# KiCad board SparkFun_Qwiic_WAV_Trigger_Pro_panelized.kicad_pcb (continued)
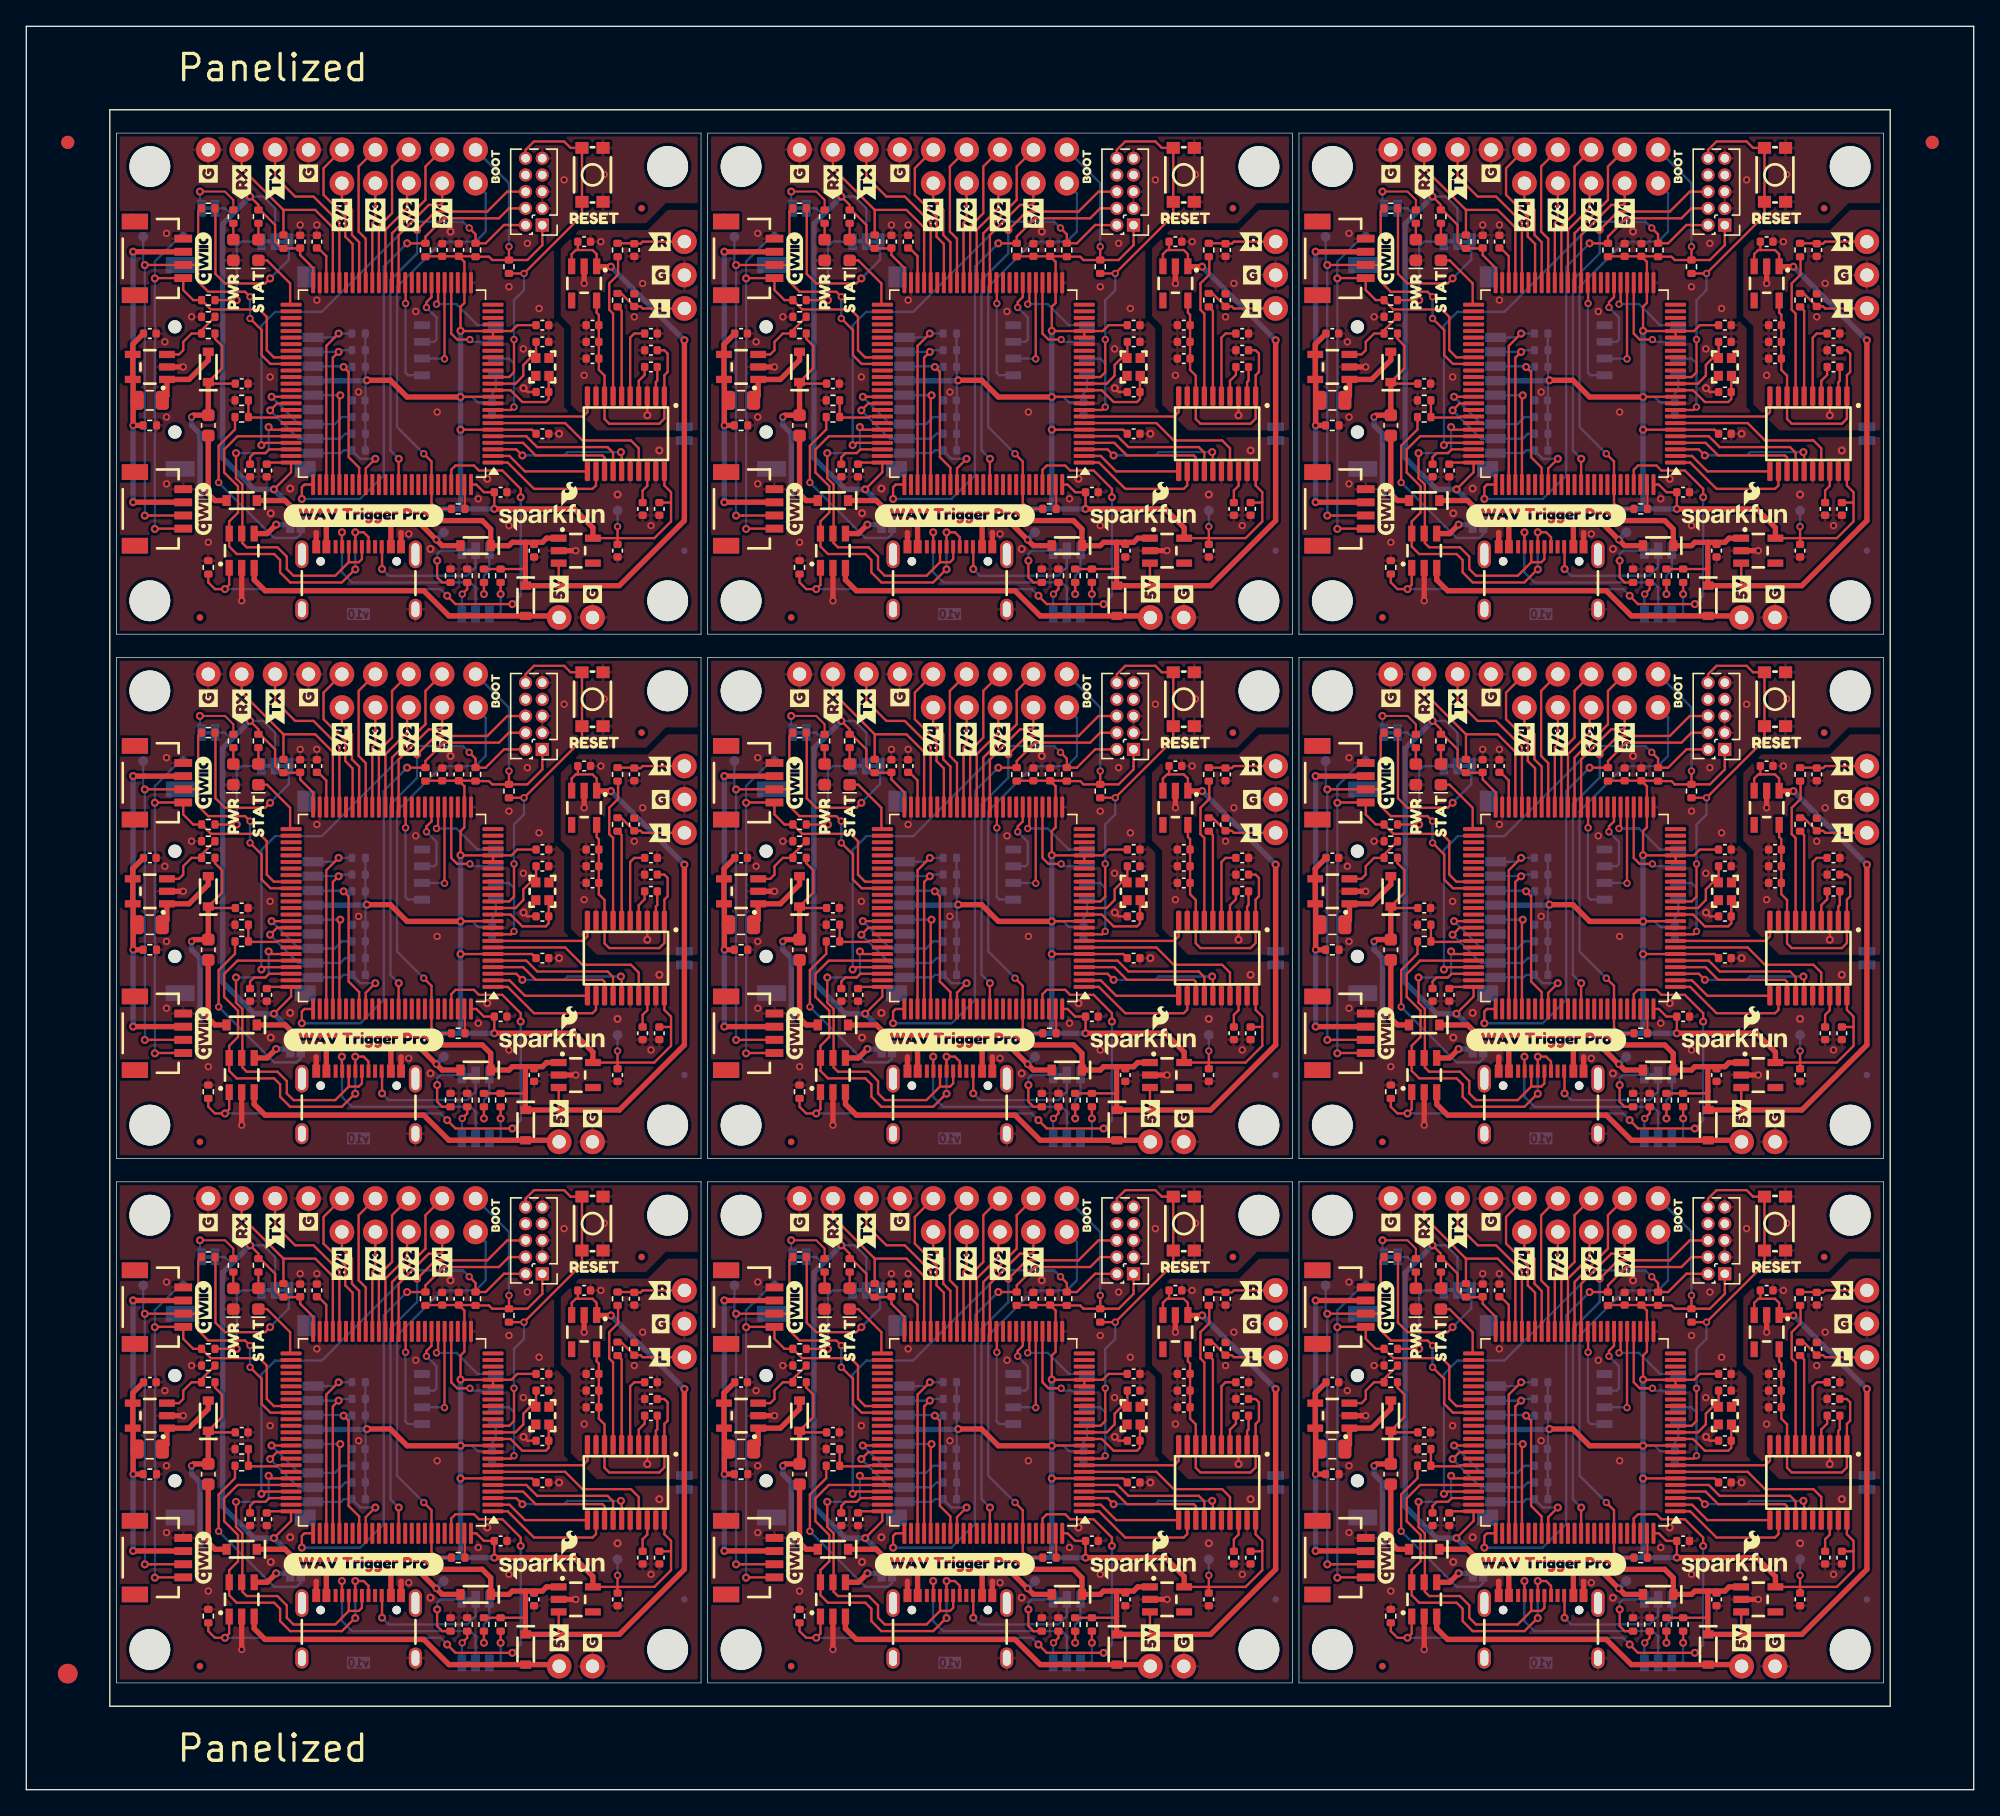
[diagram p0: board, top side]
## Nets (continued)
3.3V: C2.1 C2#2.1 C2#3.1 C2#4.1 C2#5.1 C2#6.1 C2#7.1 C2#8.1 C2#9.1 C3.1 C3#2.1 C3#3.1 C3#4.1 C3#5.1 C3#6.1 C3#7.1 C3#8.1 C3#9.1 C4.1 C4#2.1 C4#3.1 C4#4.1 C4#5.1 C4#6.1 C4#7.1 C4#8.1 C4#9.1 C5.1 C5#2.1 C5#3.1 C5#4.1 C5#5.1 C5#6.1 C5#7.1 C5#8.1 C5#9.1 C6.1 C6#2.1 C6#3.1 C6#4.1 C6#5.1 C6#6.1 C6#7.1 C6#8.1 C6#9.1 C7.1 C7#2.1 C7#3.1 C7#4.1 C7#5.1 C7#6.1 C7#7.1 C7#8.1 C7#9.1 C9.1 C9#2.1 C9#3.1 C9#4.1 C9#5.1 C9#6.1 C9#7.1 C9#8.1 C9#9.1 C10.1 C10#2.1 C10#3.1 C10#4.1 C10#5.1 C10#6.1 C10#7.1 C10#8.1 C10#9.1 C16.1 C16#2.1 C16#3.1 C16#4.1 C16#5.1 C16#6.1 C16#7.1 C16#8.1 C16#9.1 C25.1 C25#2.1 C25#3.1 C25#4.1 C25#5.1 C25#6.1 C25#7.1 C25#8.1 C25#9.1 C28.1 C28#2.1 C28#3.1 C28#4.1 C28#5.1 C28#6.1 C28#7.1 C28#8.1 C28#9.1 J5.4 J5#2.4 J5#3.4 J5#4.4 J5#5.4 J5#6.4 J5#7.4 J5#8.4 J5#9.4 J7.1 J7#2.1 J7#3.1 J7#4.1 J7#5.1 J7#6.1 J7#7.1 J7#8.1 J7#9.1 J10.2 J10#2.2 J10#3.2 J10#4.2 J10#5.2 J10#6.2 J10#7.2 J10#8.2 J10#9.2 JP4.2 JP4#2.2 JP4#3.2 JP4#4.2 JP4#5.2 JP4#6.2 JP4#7.2 JP4#8.2 JP4#9.2 JP5.2 JP5#2.2 JP5#3.2 JP5#4.2 JP5#5.2 JP5#6.2 JP5#7.2 JP5#8.2 JP5#9.2 R7.1 R7#2.1 R7#3.1 R7#4.1 R7#5.1 R7#6.1 R7#7.1 R7#8.1 R7#9.1 R9.1 R9#2.1 R9#3.1 R9#4.1 R9#5.1 R9#6.1 R9#7.1 R9#8.1 R9#9.1 R10.1 R10#2.1 R10#3.1 R10#4.1 R10#5.1 R10#6.1 R10#7.1 R10#8.1 R10#9.1 R12.1 R12#2.1 R12#3.1 R12#4.1 R12#5.1 R12#6.1 R12#7.1 R12#8.1 R12#9.1 R13.1 R13#2.1 R13#3.1 R13#4.1 R13#5.1 R13#6.1 R13#7.1 R13#8.1 R13#9.1 R14.1 R14#2.1 R14#3.1 R14#4.1 R14#5.1 R14#6.1 R14#7.1 R14#8.1 R14#9.1 R16.1 R16#2.1 R16#3.1 R16#4.1 R16#5.1 R16#6.1 R16#7.1 R16#8.1 R16#9.1 R17.1 R17#2.1 R17#3.1 R17#4.1 R17#5.1 R17#6.1 R17#7.1 R17#8.1 R17#9.1 R18.1 R18#2.1 R18#3.1 R18#4.1 R18#5.1 R18#6.1 R18#7.1 R18#8.1 R18#9.1 R19.1 R19#2.1 R19#3.1 R19#4.1 R19#5.1 R19#6.1 R19#7.1 R19#8.1 R19#9.1 R20.1 R20#2.1 R20#3.1 R20#4.1 R20#5.1 R20#6.1 R20#7.1 R20#8.1 R20#9.1 TP2.1 TP2#2.1 TP2#3.1 TP2#4.1 TP2#5.1 TP2#6.1 TP2#7.1 TP2#8.1 TP2#9.1 U2.5 U2#2.5 U2#3.5 U2#4.5 U2#5.5 U2#6.5 U2#7.5 U2#8.5 U2#9.5 U3.6 U3.11 U3.20 U3.21 U3.27 U3.50 U3.75 U3.100 U3#2.6 U3#2.11 U3#2.20 U3#2.21 U3#2.27 U3#2.50 U3#2.75 U3#2.100 U3#3.6 U3#3.11 U3#3.20 U3#3.21 U3#3.27 U3#3.50 U3#3.75 U3#3.100 U3#4.6 U3#4.11 U3#4.20 U3#4.21 U3#4.27 U3#4.50 U3#4.75 U3#4.100 U3#5.6 U3#5.11 U3#5.20 U3#5.21 U3#5.27 U3#5.50 U3#5.75 U3#5.100 U3#6.6 U3#6.11 U3#6.20 U3#6.21 U3#6.27 U3#6.50 U3#6.75 U3#6.100 U3#7.6 U3#7.11 U3#7.20 U3#7.21 U3#7.27 U3#7.50 U3#7.75 U3#7.100 U3#8.6 U3#8.11 U3#8.20 U3#8.21 U3#8.27 U3#8.50 U3#8.75 U3#8.100 U3#9.6 U3#9.11 U3#9.20 U3#9.21 U3#9.27 U3#9.50 U3#9.75 U3#9.100 U5.20 U5#2.20 U5#3.20 U5#4.20 U5#5.20 U5#6.20 U5#7.20 U5#8.20 U5#9.20 U7.8 U7#2.8 U7#3.8 U7#4.8 U7#5.8 U7#6.8 U7#7.8 U7#8.8 U7#9.8
3.3V_A: C15.1 C15#2.1 C15#3.1 C15#4.1 C15#5.1 C15#6.1 C15#7.1 C15#8.1 C15#9.1 C17.1 C17#2.1 C17#3.1 C17#4.1 C17#5.1 C17#6.1 C17#7.1 C17#8.1 C17#9.1 C18.1 C18#2.1 C18#3.1 C18#4.1 C18#5.1 C18#6.1 C18#7.1 C18#8.1 C18#9.1 C19.1 C19#2.1 C19#3.1 C19#4.1 C19#5.1 C19#6.1 C19#7.1 C19#8.1 C19#9.1 U4.5 U4#2.5 U4#3.5 U4#4.5 U4#5.5 U4#6.5 U4#7.5 U4#8.5 U4#9.5 U5.1 U5.8 U5#2.1 U5#2.8 U5#3.1 U5#3.8 U5#4.1 U5#4.8 U5#5.1 U5#5.8 U5#6.1 U5#6.8 U5#7.1 U5#7.8 U5#8.1 U5#8.8 U5#9.1 U5#9.8
3.3V_P: C26.1 C26#2.1 C26#3.1 C26#4.1 C26#5.1 C26#6.1 C26#7.1 C26#8.1 C26#9.1 J3.2 J3#2.2 J3#3.2 J3#4.2 J3#5.2 J3#6.2 J3#7.2 J3#8.2 J3#9.2 J4.2 J4#2.2 J4#3.2 J4#4.2 J4#5.2 J4#6.2 J4#7.2 J4#8.2 J4#9.2 L1.1 L1#2.1 L1#3.1 L1#4.1 L1#5.1 L1#6.1 L1#7.1 L1#8.1 L1#9.1 R25.1 R25#2.1 R25#3.1 R25#4.1 R25#5.1 R25#6.1 R25#7.1 R25#8.1 R25#9.1 U6.4 U6.5 U6#2.4 U6#2.5 U6#3.4 U6#3.5 U6#4.4 U6#4.5 U6#5.4 U6#5.5 U6#6.4 U6#6.5 U6#7.4 U6#7.5 U6#8.4 U6#8.5 U6#9.4 U6#9.5
5V: C1.1 C1#2.1 C1#3.1 C1#4.1 C1#5.1 C1#6.1 C1#7.1 C1#8.1 C1#9.1 C14.1 C14#2.1 C14#3.1 C14#4.1 C14#5.1 C14#6.1 C14#7.1 C14#8.1 C14#9.1 D1.C D1#2.C D1#3.C D1#4.C D1#5.C D1#6.C D1#7.C D1#8.C D1#9.C D2.C D2#2.C D2#3.C D2#4.C D2#5.C D2#6.C D2#7.C D2#8.C D2#9.C D6.C D6#2.C D6#3.C D6#4.C D6#5.C D6#6.C D6#7.C D6#8.C D6#9.C R2.2 R2#2.2 R2#3.2 R2#4.2 R2#5.2 R2#6.2 R2#7.2 R2#8.2 R2#9.2 R4.2 R4#2.2 R4#3.2 R4#4.2 R4#5.2 R4#6.2 R4#7.2 R4#8.2 R4#9.2 U2.1 U2.3 U2#2.1 U2#2.3 U2#3.1 U2#3.3 U2#4.1 U2#4.3 U2#5.1 U2#5.3 U2#6.1 U2#6.3 U2#7.1 U2#7.3 U2#8.1 U2#8.3 U2#9.1 U2#9.3 U4.1 U4.3 U4#2.1 U4#2.3 U4#3.1 U4#3.3 U4#4.1 U4#4.3 U4#5.1 U4#5.3 U4#6.1 U4#6.3 U4#7.1 U4#7.3 U4#8.1 U4#8.3 U4#9.1 U4#9.3
/CPU/VBUS_DET: R26.1 R26#2.1 R26#3.1 R26#4.1 R26#5.1 R26#6.1 R26#7.1 R26#8.1 R26#9.1 R27.2 R27#2.2 R27#3.2 R27#4.2 R27#5.2 R27#6.2 R27#7.2 R27#8.2 R27#9.2 U3.68 U3#2.68 U3#3.68 U3#4.68 U3#5.68 U3#6.68 U3#7.68 U3#8.68 U3#9.68
/CPU/VBUS_ENA: R1.1 R1#2.1 R1#3.1 R1#4.1 R1#5.1 R1#6.1 R1#7.1 R1#8.1 R1#9.1 U1.1 U1#2.1 U1#3.1 U1#4.1 U1#5.1 U1#6.1 U1#7.1 U1#8.1 U1#9.1 U3.97 U3#2.97 U3#3.97 U3#4.97 U3#5.97 U3#6.97 U3#7.97 U3#8.97 U3#9.97
GND: C1.2 C1#2.2 C1#3.2 C1#4.2 C1#5.2 C1#6.2 C1#7.2 C1#8.2 C1#9.2 C2.2 C2#2.2 C2#3.2 C2#4.2 C2#5.2 C2#6.2 C2#7.2 C2#8.2 C2#9.2 C3.2 C3#2.2 C3#3.2 C3#4.2 C3#5.2 C3#6.2 C3#7.2 C3#8.2 C3#9.2 C4.2 C4#2.2 C4#3.2 C4#4.2 C4#5.2 C4#6.2 C4#7.2 C4#8.2 C4#9.2 C5.2 C5#2.2 C5#3.2 C5#4.2 C5#5.2 C5#6.2 C5#7.2 C5#8.2 C5#9.2 C6.2 C6#2.2 C6#3.2 C6#4.2 C6#5.2 C6#6.2 C6#7.2 C6#8.2 C6#9.2 C7.2 C7#2.2 C7#3.2 C7#4.2 C7#5.2 C7#6.2 C7#7.2 C7#8.2 C7#9.2 C8.2 C8#2.2 C8#3.2 C8#4.2 C8#5.2 C8#6.2 C8#7.2 C8#8.2 C8#9.2 C9.2 C9#2.2 C9#3.2 C9#4.2 C9#5.2 C9#6.2 C9#7.2 C9#8.2 C9#9.2 C10.2 C10#2.2 C10#3.2 C10#4.2 C10#5.2 C10#6.2 C10#7.2 C10#8.2 C10#9.2 C11.1 C11#2.1 C11#3.1 C11#4.1 C11#5.1 C11#6.1 C11#7.1 C11#8.1 C11#9.1 C12.1 C12#2.1 C12#3.1 C12#4.1 C12#5.1 C12#6.1 C12#7.1 C12#8.1 C12#9.1 C13.2 C13#2.2 C13#3.2 C13#4.2 C13#5.2 C13#6.2 C13#7.2 C13#8.2 C13#9.2 C16.2 C16#2.2 C16#3.2 C16#4.2 C16#5.2 C16#6.2 C16#7.2 C16#8.2 C16#9.2 C22.2 C22#2.2 C22#3.2 C22#4.2 C22#5.2 C22#6.2 C22#7.2 C22#8.2 C22#9.2 C25.2 C25#2.2 C25#3.2 C25#4.2 C25#5.2 C25#6.2 C25#7.2 C25#8.2 C25#9.2 C26.2 C26#2.2 C26#3.2 C26#4.2 C26#5.2 C26#6.2 C26#7.2 C26#8.2 C26#9.2 C27.2 C27#2.2 C27#3.2 C27#4.2 C27#5.2 C27#6.2 C27#7.2 C27#8.2 C27#9.2 C28.2 C28#2.2 C28#3.2 C28#4.2 C28#5.2 C28#6.2 C28#7.2 C28#8.2 C28#9.2 D3.1 D3#2.1 D3#3.1 D3#4.1 D3#5.1 D3#6.1 D3#7.1 D3#8.1 D3#9.1 J1.2 J1#2.2 J1#3.2 J1#4.2 J1#5.2 J1#6.2 J1#7.2 J1#8.2 J1#9.2 J2.GND J2.S J2#2.GND J2#2.S J2#3.GND J2#3.S J2#4.GND J2#4.S J2#5.GND J2#5.S J2#6.GND J2#6.S J2#7.GND J2#7.S J2#8.GND J2#8.S J2#9.GND J2#9.S J3.1 J3#2.1 J3#3.1 J3#4.1 J3#5.1 J3#6.1 J3#7.1 J3#8.1 J3#9.1 J4.1 J4#2.1 J4#3.1 J4#4.1 J4#5.1 J4#6.1 J4#7.1 J4#8.1 J4#9.1 J5.6 J5.10 J5#2.6 J5#2.10 J5#3.6 J5#3.10 J5#4.6 J5#4.10 J5#5.6 J5#5.10 J5#6.6 J5#6.10 J5#7.6 J5#7.10 J5#8.6 J5#8.10 J5#9.6 J5#9.10 J6.5 J6.8 J6#2.5 J6#2.8 J6#3.5 J6#3.8 J6#4.5 J6#4.8 J6#5.5 J6#5.8 J6#6.5 J6#6.8 J6#7.5 J6#7.8 J6#8.5 J6#8.8 J6#9.5 J6#9.8 J7.3 J7.5 J7.9 J7#2.3 J7#2.5 J7#2.9 J7#3.3 J7#3.5 J7#3.9 J7#4.3 J7#4.5 J7#4.9 J7#5.3 J7#5.5 J7#5.9 J7#6.3 J7#6.5 J7#6.9 J7#7.3 J7#7.5 J7#7.9 J7#8.3 J7#8.5 J7#8.9 J7#9.3 J7#9.5 J7#9.9 JP6.2 JP6#2.2 JP6#3.2 JP6#4.2 JP6#5.2 JP6#6.2 JP6#7.2 JP6#8.2 JP6#9.2 R1.2 R1#2.2 R1#3.2 R1#4.2 R1#5.2 R1#6.2 R1#7.2 R1#8.2 R1#9.2 R3.2 R3#2.2 R3#3.2 R3#4.2 R3#5.2 R3#6.2 R3#7.2 R3#8.2 R3#9.2 R5.2 R5#2.2 R5#3.2 R5#4.2 R5#5.2 R5#6.2 R5#7.2 R5#8.2 R5#9.2 R8.2 R8#2.2 R8#3.2 R8#4.2 R8#5.2 R8#6.2 R8#7.2 R8#8.2 R8#9.2 R24.2 R24#2.2 R24#3.2 R24#4.2 R24#5.2 R24#6.2 R24#7.2 R24#8.2 R24#9.2 R25.2 R25#2.2 R25#3.2 R25#4.2 R25#5.2 R25#6.2 R25#7.2 R25#8.2 R25#9.2 R27.1 R27#2.1 R27#3.1 R27#4.1 R27#5.1 R27#6.1 R27#7.1 R27#8.1 R27#9.1 SW1.2 SW1#2.2 SW1#3.2 SW1#4.2 SW1#5.2 SW1#6.2 SW1#7.2 SW1#8.2 SW1#9.2 U1.2 U1#2.2 U1#3.2 U1#4.2 U1#5.2 U1#6.2 U1#7.2 U1#8.2 U1#9.2 U2.2 U2#2.2 U2#3.2 U2#4.2 U2#5.2 U2#6.2 U2#7.2 U2#8.2 U2#9.2 U3.10 U3.19 U3.26 U3.49 U3.74 U3.99 U3#2.10 U3#2.19 U3#2.26 U3#2.49 U3#2.74 U3#2.99 U3#3.10 U3#3.19 U3#3.26 U3#3.49 U3#3.74 U3#3.99 U3#4.10 U3#4.19 U3#4.26 U3#4.49 U3#4.74 U3#4.99 U3#5.10 U3#5.19 U3#5.26 U3#5.49 U3#5.74 U3#5.99 U3#6.10 U3#6.19 U3#6.26 U3#6.49 U3#6.74 U3#6.99 U3#7.10 U3#7.19 U3#7.26 U3#7.49 U3#7.74 U3#7.99 U3#8.10 U3#8.19 U3#8.26 U3#8.49 U3#8.74 U3#8.99 U3#9.10 U3#9.19 U3#9.26 U3#9.49 U3#9.74 U3#9.99 U5.16 U5.19 U5#2.16 U5#2.19 U5#3.16 U5#3.19 U5#4.16 U5#4.19 U5#5.16 U5#5.19 U5#6.16 U5#6.19 U5#7.16 U5#7.19 U5#8.16 U5#8.19 U5#9.16 U5#9.19 U6.2 U6#2.2 U6#3.2 U6#4.2 U6#5.2 U6#6.2 U6#7.2 U6#8.2 U6#9.2 U7.4 U7#2.4 U7#3.4 U7#4.4 U7#5.4 U7#6.4 U7#7.4 U7#8.4 U7#9.4
GNDA: C14.2 C14#2.2 C14#3.2 C14#4.2 C14#5.2 C14#6.2 C14#7.2 C14#8.2 C14#9.2 C15.2 C15#2.2 C15#3.2 C15#4.2 C15#5.2 C15#6.2 C15#7.2 C15#8.2 C15#9.2 C17.2 C17#2.2 C17#3.2 C17#4.2 C17#5.2 C17#6.2 C17#7.2 C17#8.2 C17#9.2 C18.2 C18#2.2 C18#3.2 C18#4.2 C18#5.2 C18#6.2 C18#7.2 C18#8.2 C18#9.2 C19.2 C19#2.2 C19#3.2 C19#4.2 C19#5.2 C19#6.2 C19#7.2 C19#8.2 C19#9.2 C20.2 C20#2.2 C20#3.2 C20#4.2 C20#5.2 C20#6.2 C20#7.2 C20#8.2 C20#9.2 C23.2 C23#2.2 C23#3.2 C23#4.2 C23#5.2 C23#6.2 C23#7.2 C23#8.2 C23#9.2 C24.2 C24#2.2 C24#3.2 C24#4.2 C24#5.2 C24#6.2 C24#7.2 C24#8.2 C24#9.2 J8.2 J8#2.2 J8#3.2 J8#4.2 J8#5.2 J8#6.2 J8#7.2 J8#8.2 J8#9.2 JP6.1 JP6#2.1 JP6#3.1 JP6#4.1 JP6#5.1 JP6#6.1 JP6#7.1 JP6#8.1 JP6#9.1 U4.2 U4#2.2 U4#3.2 U4#4.2 U4#5.2 U4#6.2 U4#7.2 U4#8.2 U4#9.2 U5.3 U5.9 U5#2.3 U5#2.9 U5#3.3 U5#3.9 U5#4.3 U5#4.9 U5#5.3 U5#5.9 U5#6.3 U5#6.9 U5#7.3 U5#7.9 U5#8.3 U5#8.9 U5#9.3 U5#9.9
VIN: D2.A D2#2.A D2#3.A D2#4.A D2#5.A D2#6.A D2#7.A D2#8.A D2#9.A J1.1 J1#2.1 J1#3.1 J1#4.1 J1#5.1 J1#6.1 J1#7.1 J1#8.1 J1#9.1 U1.3 U1#2.3 U1#3.3 U1#4.3 U1#5.3 U1#6.3 U1#7.3 U1#8.3 U1#9.3
/Audio/DEMP: U3.8 U3#2.8 U3#3.8 U3#4.8 U3#5.8 U3#6.8 U3#7.8 U3#8.8 U3#9.8 U5.10 U5#2.10 U5#3.10 U5#4.10 U5#5.10 U5#6.10 U5#7.10 U5#8.10 U5#9.10
/Audio/FILTER: U3.2 U3#2.2 U3#3.2 U3#4.2 U3#5.2 U3#6.2 U3#7.2 U3#8.2 U3#9.2 U5.11 U5#2.11 U5#3.11 U5#4.11 U5#5.11 U5#6.11 U5#7.11 U5#8.11 U5#9.11
/Audio/MUTE: U3.7 U3#2.7 U3#3.7 U3#4.7 U3#5.7 U3#6.7 U3#7.7 U3#8.7 U3#9.7 U5.17 U5#2.17 U5#3.17 U5#4.17 U5#5.17 U5#6.17 U5#7.17 U5#8.17 U5#9.17
/Audio/SAI1_BCK: U3.4 U3#2.4 U3#3.4 U3#4.4 U3#5.4 U3#6.4 U3#7.4 U3#8.4 U3#9.4 U5.13 U5#2.13 U5#3.13 U5#4.13 U5#5.13 U5#6.13 U5#7.13 U5#8.13 U5#9.13
/Audio/SAI1_DO: U3.5 U3#2.5 U3#3.5 U3#4.5 U3#5.5 U3#6.5 U3#7.5 U3#8.5 U3#9.5 U5.14 U5#2.14 U5#3.14 U5#4.14 U5#5.14 U5#6.14 U5#7.14 U5#8.14 U5#9.14
/Audio/SAI1_LRCK: U3.3 U3#2.3 U3#3.3 U3#4.3 U3#5.3 U3#6.3 U3#7.3 U3#8.3 U3#9.3 U5.15 U5#2.15 U5#3.15 U5#4.15 U5#5.15 U5#6.15 U5#7.15 U5#8.15 U5#9.15
/Audio/SAI1_MCK: U3.1 U3#2.1 U3#3.1 U3#4.1 U3#5.1 U3#6.1 U3#7.1 U3#8.1 U3#9.1 U5.12 U5#2.12 U5#3.12 U5#4.12 U5#5.12 U5#6.12 U5#7.12 U5#8.12 U5#9.12
/CPU/D0: J9.1 J9#2.1 J9#3.1 J9#4.1 J9#5.1 J9#6.1 J9#7.1 J9#8.1 J9#9.1 U3.37 U3#2.37 U3#3.37 U3#4.37 U3#5.37 U3#6.37 U3#7.37 U3#8.37 U3#9.37
/CPU/D1: J6.1 J6#2.1 J6#3.1 J6#4.1 J6#5.1 J6#6.1 J6#7.1 J6#8.1 J6#9.1 U3.38 U3#2.38 U3#3.38 U3#4.38 U3#5.38 U3#6.38 U3#7.38 U3#8.38 U3#9.38
/CPU/D2: J9.2 J9#2.2 J9#3.2 J9#4.2 J9#5.2 J9#6.2 J9#7.2 J9#8.2 J9#9.2 U3.39 U3#2.39 U3#3.39 U3#4.39 U3#5.39 U3#6.39 U3#7.39 U3#8.39 U3#9.39
/CPU/D3: J6.2 J6#2.2 J6#3.2 J6#4.2 J6#5.2 J6#6.2 J6#7.2 J6#8.2 J6#9.2 U3.40 U3#2.40 U3#3.40 U3#4.40 U3#5.40 U3#6.40 U3#7.40 U3#8.40 U3#9.40
/CPU/D4: J9.3 J9#2.3 J9#3.3 J9#4.3 J9#5.3 J9#6.3 J9#7.3 J9#8.3 J9#9.3 U3.41 U3#2.41 U3#3.41 U3#4.41 U3#5.41 U3#6.41 U3#7.41 U3#8.41 U3#9.41
/CPU/D5: J6.3 J6#2.3 J6#3.3 J6#4.3 J6#5.3 J6#6.3 J6#7.3 J6#8.3 J6#9.3 U3.42 U3#2.42 U3#3.42 U3#4.42 U3#5.42 U3#6.42 U3#7.42 U3#8.42 U3#9.42
/CPU/D6: J9.4 J9#2.4 J9#3.4 J9#4.4 J9#5.4 J9#6.4 J9#7.4 J9#8.4 J9#9.4 U3.43 U3#2.43 U3#3.43 U3#4.43 U3#5.43 U3#6.43 U3#7.43 U3#8.43 U3#9.43
/CPU/D7: J6.4 J6#2.4 J6#3.4 J6#4.4 J6#5.4 J6#6.4 J6#7.4 J6#8.4 J6#9.4 U3.44 U3#2.44 U3#3.44 U3#4.44 U3#5.44 U3#6.44 U3#7.44 U3#8.44 U3#9.44
/CPU/I2C_SCK: J3.4 J3#2.4 J3#3.4 J3#4.4 J3#5.4 J3#6.4 J3#7.4 J3#8.4 J3#9.4 J4.4 J4#2.4 J4#3.4 J4#4.4 J4#5.4 J4#6.4 J4#7.4 J4#8.4 J4#9.4 R11.2 R11#2.2 R11#3.2 R11#4.2 R11#5.2 R11#6.2 R11#7.2 R11#8.2 R11#9.2 TP4.1 TP4#2.1 TP4#3.1 TP4#4.1 TP4#5.1 TP4#6.1 TP4#7.1 TP4#8.1 TP4#9.1 U3.59 U3#2.59 U3#3.59 U3#4.59 U3#5.59 U3#6.59 U3#7.59 U3#8.59 U3#9.59
/CPU/I2C_SDA: J3.3 J3#2.3 J3#3.3 J3#4.3 J3#5.3 J3#6.3 J3#7.3 J3#8.3 J3#9.3 J4.3 J4#2.3 J4#3.3 J4#4.3 J4#5.3 J4#6.3 J4#7.3 J4#8.3 J4#9.3 R15.2 R15#2.2 R15#3.2 R15#4.2 R15#5.2 R15#6.2 R15#7.2 R15#8.2 R15#9.2 TP5.1 TP5#2.1 TP5#3.1 TP5#4.1 TP5#5.1 TP5#6.1 TP5#7.1 TP5#8.1 TP5#9.1 U3.60 U3#2.60 U3#3.60 U3#4.60 U3#5.60 U3#6.60 U3#7.60 U3#8.60 U3#9.60
/CPU/LED: D4.1 D4#2.1 D4#3.1 D4#4.1 D4#5.1 D4#6.1 D4#7.1 D4#8.1 D4#9.1 U3.51 U3#2.51 U3#3.51 U3#4.51 U3#5.51 U3#6.51 U3#7.51 U3#8.51 U3#9.51
/CPU/MEM_CK: U3.29 U3#2.29 U3#3.29 U3#4.29 U3#5.29 U3#6.29 U3#7.29 U3#8.29 U3#9.29 U7.6 U7#2.6 U7#3.6 U7#4.6 U7#5.6 U7#6.6 U7#7.6 U7#8.6 U7#9.6
/CPU/MEM_CS: U3.36 U3#2.36 U3#3.36 U3#4.36 U3#5.36 U3#6.36 U3#7.36 U3#8.36 U3#9.36 U7.1 U7#2.1 U7#3.1 U7#4.1 U7#5.1 U7#6.1 U7#7.1 U7#8.1 U7#9.1
/CPU/MEM_DI: U3.31 U3#2.31 U3#3.31 U3#4.31 U3#5.31 U3#6.31 U3#7.31 U3#8.31 U3#9.31 U7.5 U7#2.5 U7#3.5 U7#4.5 U7#5.5 U7#6.5 U7#7.5 U7#8.5 U7#9.5
/CPU/MEM_DO: U3.30 U3#2.30 U3#3.30 U3#4.30 U3#5.30 U3#6.30 U3#7.30 U3#8.30 U3#9.30 U7.2 U7#2.2 U7#3.2 U7#4.2 U7#5.2 U7#6.2 U7#7.2 U7#8.2 U7#9.2
/CPU/MEM_HO: U3.9 U3#2.9 U3#3.9 U3#4.9 U3#5.9 U3#6.9 U3#7.9 U3#8.9 U3#9.9 U7.7 U7#2.7 U7#3.7 U7#4.7 U7#5.7 U7#6.7 U7#7.7 U7#8.7 U7#9.7
/CPU/MEM_WP: U3.32 U3#2.32 U3#3.32 U3#4.32 U3#5.32 U3#6.32 U3#7.32 U3#8.32 U3#9.32 U7.3 U7#2.3 U7#3.3 U7#4.3 U7#5.3 U7#6.3 U7#7.3 U7#8.3 U7#9.3
/CPU/RX: J6.7 J6#2.7 J6#3.7 J6#4.7 J6#5.7 J6#6.7 J6#7.7 J6#8.7 J6#9.7 R17.2 R17#2.2 R17#3.2 R17#4.2 R17#5.2 R17#6.2 R17#7.2 R17#8.2 R17#9.2 U3.47 U3#2.47 U3#3.47 U3#4.47 U3#5.47 U3#6.47 U3#7.47 U3#8.47 U3#9.47
/CPU/SD_CD: J5.9 J5#2.9 J5#3.9 J5#4.9 J5#5.9 J5#6.9 J5#7.9 J5#8.9 J5#9.9 R16.2 R16#2.2 R16#3.2 R16#4.2 R16#5.2 R16#6.2 R16#7.2 R16#8.2 R16#9.2 U3.84 U3#2.84 U3#3.84 U3#4.84 U3#5.84 U3#6.84 U3#7.84 U3#8.84 U3#9.84
/CPU/SD_CLK: J5.5 J5#2.5 J5#3.5 J5#4.5 J5#5.5 J5#6.5 J5#7.5 J5#8.5 J5#9.5 U3.80 U3#2.80 U3#3.80 U3#4.80 U3#5.80 U3#6.80 U3#7.80 U3#8.80 U3#9.80
/CPU/SD_CMD: J5.3 J5#2.3 J5#3.3 J5#4.3 J5#5.3 J5#6.3 J5#7.3 J5#8.3 J5#9.3 R9.2 R9#2.2 R9#3.2 R9#4.2 R9#5.2 R9#6.2 R9#7.2 R9#8.2 R9#9.2 U3.83 U3#2.83 U3#3.83 U3#4.83 U3#5.83 U3#6.83 U3#7.83 U3#8.83 U3#9.83
/CPU/SD_D0: J5.7 J5#2.7 J5#3.7 J5#4.7 J5#5.7 J5#6.7 J5#7.7 J5#8.7 J5#9.7 R10.2 R10#2.2 R10#3.2 R10#4.2 R10#5.2 R10#6.2 R10#7.2 R10#8.2 R10#9.2 U3.65 U3#2.65 U3#3.65 U3#4.65 U3#5.65 U3#6.65 U3#7.65 U3#8.65 U3#9.65
/CPU/SD_D1: J5.8 J5#2.8 J5#3.8 J5#4.8 J5#5.8 J5#6.8 J5#7.8 J5#8.8 J5#9.8 R12.2 R12#2.2 R12#3.2 R12#4.2 R12#5.2 R12#6.2 R12#7.2 R12#8.2 R12#9.2 U3.66 U3#2.66 U3#3.66 U3#4.66 U3#5.66 U3#6.66 U3#7.66 U3#8.66 U3#9.66
/CPU/SD_D2: J5.1 J5#2.1 J5#3.1 J5#4.1 J5#5.1 J5#6.1 J5#7.1 J5#8.1 J5#9.1 R13.2 R13#2.2 R13#3.2 R13#4.2 R13#5.2 R13#6.2 R13#7.2 R13#8.2 R13#9.2 U3.78 U3#2.78 U3#3.78 U3#4.78 U3#5.78 U3#6.78 U3#7.78 U3#8.78 U3#9.78
/CPU/SD_D3: J5.2 J5#2.2 J5#3.2 J5#4.2 J5#5.2 J5#6.2 J5#7.2 J5#8.2 J5#9.2 R14.2 R14#2.2 R14#3.2 R14#4.2 R14#5.2 R14#6.2 R14#7.2 R14#8.2 R14#9.2 U3.79 U3#2.79 U3#3.79 U3#4.79 U3#5.79 U3#6.79 U3#7.79 U3#8.79 U3#9.79
/CPU/SWCLK: J7.4 J7#2.4 J7#3.4 J7#4.4 J7#5.4 J7#6.4 J7#7.4 J7#8.4 J7#9.4 R18.2 R18#2.2 R18#3.2 R18#4.2 R18#5.2 R18#6.2 R18#7.2 R18#8.2 R18#9.2 U3.76 U3#2.76 U3#3.76 U3#4.76 U3#5.76 U3#6.76 U3#7.76 U3#8.76 U3#9.76
/CPU/SWDIO: J7.2 J7#2.2 J7#3.2 J7#4.2 J7#5.2 J7#6.2 J7#7.2 J7#8.2 J7#9.2 R20.2 R20#2.2 R20#3.2 R20#4.2 R20#5.2 R20#6.2 R20#7.2 R20#8.2 R20#9.2 U3.72 U3#2.72 U3#3.72 U3#4.72 U3#5.72 U3#6.72 U3#7.72 U3#8.72 U3#9.72
/CPU/SWO: J7.6 J7#2.6 J7#3.6 J7#4.6 J7#5.6 J7#6.6 J7#7.6 J7#8.6 J7#9.6 U3.89 U3#2.89 U3#3.89 U3#4.89 U3#5.89 U3#6.89 U3#7.89 U3#8.89 U3#9.89
/CPU/TX: J6.6 J6#2.6 J6#3.6 J6#4.6 J6#5.6 J6#6.6 J6#7.6 J6#8.6 J6#9.6 U3.46 U3#2.46 U3#3.46 U3#4.46 U3#5.46 U3#6.46 U3#7.46 U3#8.46 U3#9.46
/CPU/USB_FS_DM: J2.A7 J2.B7 J2#2.A7 J2#2.B7 J2#3.A7 J2#3.B7 J2#4.A7 J2#4.B7 J2#5.A7 J2#5.B7 J2#6.A7 J2#6.B7 J2#7.A7 J2#7.B7 J2#8.A7 J2#8.B7 J2#9.A7 J2#9.B7 U1.5 U1#2.5 U1#3.5 U1#4.5 U1#5.5 U1#6.5 U1#7.5 U1#8.5 U1#9.5 U3.70 U3#2.70 U3#3.70 U3#4.70 U3#5.70 U3#6.70 U3#7.70 U3#8.70 U3#9.70
/CPU/USB_FS_DP: J2.A6 J2.B6 J2#2.A6 J2#2.B6 J2#3.A6 J2#3.B6 J2#4.A6 J2#4.B6 J2#5.A6 J2#5.B6 J2#6.A6 J2#6.B6 J2#7.A6 J2#7.B6 J2#8.A6 J2#8.B6 J2#9.A6 J2#9.B6 U1.6 U1#2.6 U1#3.6 U1#4.6 U1#5.6 U1#6.6 U1#7.6 U1#8.6 U1#9.6 U3.71 U3#2.71 U3#3.71 U3#4.71 U3#5.71 U3#6.71 U3#7.71 U3#8.71 U3#9.71
/CPU/~{RST}: J7.10 J7#2.10 J7#3.10 J7#4.10 J7#5.10 J7#6.10 J7#7.10 J7#8.10 J7#9.10 R7.2 R7#2.2 R7#3.2 R7#4.2 R7#5.2 R7#6.2 R7#7.2 R7#8.2 R7#9.2 SW1.1 SW1#2.1 SW1#3.1 SW1#4.1 SW1#5.1 SW1#6.1 SW1#7.1 SW1#8.1 SW1#9.1 U3.14 U3#2.14 U3#3.14 U3#4.14 U3#5.14 U3#6.14 U3#7.14 U3#8.14 U3#9.14
LOUT: C23.1 C23#2.1 C23#3.1 C23#4.1 C23#5.1 C23#6.1 C23#7.1 C23#8.1 C23#9.1 J8.1 J8#2.1 J8#3.1 J8#4.1 J8#5.1 J8#6.1 J8#7.1 J8#8.1 J8#9.1 R21.1 R21#2.1 R21#3.1 R21#4.1 R21#5.1 R21#6.1 R21#7.1 R21#8.1 R21#9.1
ROUT: C24.1 C24#2.1 C24#3.1 C24#4.1 C24#5.1 C24#6.1 C24#7.1 C24#8.1 C24#9.1 J8.3 J8#2.3 J8#3.3 J8#4.3 J8#5.3 J8#6.3 J8#7.3 J8#8.3 J8#9.3 R22.1 R22#2.1 R22#3.1 R22#4.1 R22#5.1 R22#6.1 R22#7.1 R22#8.1 R22#9.1
VOUT: D6.A D6#2.A D6#3.A D6#4.A D6#5.A D6#6.A D6#7.A D6#8.A D6#9.A L2.2 L2#2.2 L2#3.2 L2#4.2 L2#5.2 L2#6.2 L2#7.2 L2#8.2 L2#9.2
VUSB: D1.A D1#2.A D1#3.A D1#4.A D1#5.A D1#6.A D1#7.A D1#8.A D1#9.A J2.VBUS J2#2.VBUS J2#3.VBUS J2#4.VBUS J2#5.VBUS J2#6.VBUS J2#7.VBUS J2#8.VBUS J2#9.VBUS JP3.2 JP3#2.2 JP3#3.2 JP3#4.2 JP3#5.2 JP3#6.2 JP3#7.2 JP3#8.2 JP3#9.2 R26.2 R26#2.2 R26#3.2 R26#4.2 R26#5.2 R26#6.2 R26#7.2 R26#8.2 R26#9.2 TP3.1 TP3#2.1 TP3#3.1 TP3#4.1 TP3#5.1 TP3#6.1 TP3#7.1 TP3#8.1 TP3#9.1
Net-(C8-Pad1): C8.1 C8#2.1 C8#3.1 C8#4.1 C8#5.1 C8#6.1 C8#7.1 C8#8.1 C8#9.1 U3.48 U3#2.48 U3#3.48 U3#4.48 U3#5.48 U3#6.48 U3#7.48 U3#8.48 U3#9.48
Net-(C13-Pad1): C13.1 C13#2.1 C13#3.1 C13#4.1 C13#5.1 C13#6.1 C13#7.1 C13#8.1 C13#9.1 U3.73 U3#2.73 U3#3.73 U3#4.73 U3#5.73 U3#6.73 U3#7.73 U3#8.73 U3#9.73
Net-(C27-Pad1): C27.1 C27#2.1 C27#3.1 C27#4.1 C27#5.1 C27#6.1 C27#7.1 C27#8.1 C27#9.1 D5.C D5#2.C D5#3.C D5#4.C D5#5.C D5#6.C D5#7.C D5#8.C D5#9.C L2.1 L2#2.1 L2#3.1 L2#4.1 L2#5.1 L2#6.1 L2#7.1 L2#8.1 L2#9.1 R23.1 R23#2.1 R23#3.1 R23#4.1 R23#5.1 R23#6.1 R23#7.1 R23#8.1 R23#9.1 TP1.1 TP1#2.1 TP1#3.1 TP1#4.1 TP1#5.1 TP1#6.1 TP1#7.1 TP1#8.1 TP1#9.1
Net-(D3-A): D3.2 D3#2.2 D3#3.2 D3#4.2 D3#5.2 D3#6.2 D3#7.2 D3#8.2 D3#9.2 R6.2 R6#2.2 R6#3.2 R6#4.2 R6#5.2 R6#6.2 R6#7.2 R6#8.2 R6#9.2
Net-(D4-A): D4.2 D4#2.2 D4#3.2 D4#4.2 D4#5.2 D4#6.2 D4#7.2 D4#8.2 D4#9.2 R19.2 R19#2.2 R19#3.2 R19#4.2 R19#5.2 R19#6.2 R19#7.2 R19#8.2 R19#9.2
Net-(J2-CC1): J2.A5 J2#2.A5 J2#3.A5 J2#4.A5 J2#5.A5 J2#6.A5 J2#7.A5 J2#8.A5 J2#9.A5 JP2.2 JP2#2.2 JP2#3.2 JP2#4.2 JP2#5.2 JP2#6.2 JP2#7.2 JP2#8.2 JP2#9.2
Net-(J2-CC2): J2.B5 J2#2.B5 J2#3.B5 J2#4.B5 J2#5.B5 J2#6.B5 J2#7.B5 J2#8.B5 J2#9.B5 JP1.2 JP1#2.2 JP1#3.2 JP1#4.2 JP1#5.2 JP1#6.2 JP1#7.2 JP1#8.2 JP1#9.2
Net-(J10-Pin_1): J10.1 J10#2.1 J10#3.1 J10#4.1 J10#5.1 J10#6.1 J10#7.1 J10#8.1 J10#9.1 R8.1 R8#2.1 R8#3.1 R8#4.1 R8#5.1 R8#6.1 R8#7.1 R8#8.1 R8#9.1 U3.94 U3#2.94 U3#3.94 U3#4.94 U3#5.94 U3#6.94 U3#7.94 U3#8.94 U3#9.94
Net-(JP1-A): JP1.1 JP1#2.1 JP1#3.1 JP1#4.1 JP1#5.1 JP1#6.1 JP1#7.1 JP1#8.1 JP1#9.1 R3.1 R3#2.1 R3#3.1 R3#4.1 R3#5.1 R3#6.1 R3#7.1 R3#8.1 R3#9.1
Net-(JP1-B): JP1.3 JP1#2.3 JP1#3.3 JP1#4.3 JP1#5.3 JP1#6.3 JP1#7.3 JP1#8.3 JP1#9.3 R2.1 R2#2.1 R2#3.1 R2#4.1 R2#5.1 R2#6.1 R2#7.1 R2#8.1 R2#9.1
Net-(JP2-A): JP2.1 JP2#2.1 JP2#3.1 JP2#4.1 JP2#5.1 JP2#6.1 JP2#7.1 JP2#8.1 JP2#9.1 R5.1 R5#2.1 R5#3.1 R5#4.1 R5#5.1 R5#6.1 R5#7.1 R5#8.1 R5#9.1
Net-(JP2-B): JP2.3 JP2#2.3 JP2#3.3 JP2#4.3 JP2#5.3 JP2#6.3 JP2#7.3 JP2#8.3 JP2#9.3 R4.1 R4#2.1 R4#3.1 R4#4.1 R4#5.1 R4#6.1 R4#7.1 R4#8.1 R4#9.1
Net-(JP3-A): JP3.1 JP3#2.1 JP3#3.1 JP3#4.1 JP3#5.1 JP3#6.1 JP3#7.1 JP3#8.1 JP3#9.1 U1.4 U1#2.4 U1#3.4 U1#4.4 U1#5.4 U1#6.4 U1#7.4 U1#8.4 U1#9.4
Net-(JP4-A): JP4.1 JP4#2.1 JP4#3.1 JP4#4.1 JP4#5.1 JP4#6.1 JP4#7.1 JP4#8.1 JP4#9.1 R6.1 R6#2.1 R6#3.1 R6#4.1 R6#5.1 R6#6.1 R6#7.1 R6#8.1 R6#9.1
Net-(JP5-A): JP5.1 JP5#2.1 JP5#3.1 JP5#4.1 JP5#5.1 JP5#6.1 JP5#7.1 JP5#8.1 JP5#9.1 R15.1 R15#2.1 R15#3.1 R15#4.1 R15#5.1 R15#6.1 R15#7.1 R15#8.1 R15#9.1
Net-(JP5-B): JP5.3 JP5#2.3 JP5#3.3 JP5#4.3 JP5#5.3 JP5#6.3 JP5#7.3 JP5#8.3 JP5#9.3 R11.1 R11#2.1 R11#3.1 R11#4.1 R11#5.1 R11#6.1 R11#7.1 R11#8.1 R11#9.1
Net-(U3-PH0): C11.2 C11#2.2 C11#3.2 C11#4.2 C11#5.2 C11#6.2 C11#7.2 C11#8.2 C11#9.2 U3.12 U3#2.12 U3#3.12 U3#4.12 U3#5.12 U3#6.12 U3#7.12 U3#8.12 U3#9.12 Y1.2 Y1#2.2 Y1#3.2 Y1#4.2 Y1#5.2 Y1#6.2 Y1#7.2 Y1#8.2 Y1#9.2
Net-(U3-PH1): C12.2 C12#2.2 C12#3.2 C12#4.2 C12#5.2 C12#6.2 C12#7.2 C12#8.2 C12#9.2 U3.13 U3#2.13 U3#3.13 U3#4.13 U3#5.13 U3#6.13 U3#7.13 U3#8.13 U3#9.13 Y1.1 Y1#2.1 Y1#3.1 Y1#4.1 Y1#5.1 Y1#6.1 Y1#7.1 Y1#8.1 Y1#9.1
Net-(U5-CAPM): C21.2 C21#2.2 C21#3.2 C21#4.2 C21#5.2 C21#6.2 C21#7.2 C21#8.2 C21#9.2 U5.4 U5#2.4 U5#3.4 U5#4.4 U5#5.4 U5#6.4 U5#7.4 U5#8.4 U5#9.4
Net-(U5-CAPP): C21.1 C21#2.1 C21#3.1 C21#4.1 C21#5.1 C21#6.1 C21#7.1 C21#8.1 C21#9.1 U5.2 U5#2.2 U5#3.2 U5#4.2 U5#5.2 U5#6.2 U5#7.2 U5#8.2 U5#9.2
Net-(U5-LDOO): C22.1 C22#2.1 C22#3.1 C22#4.1 C22#5.1 C22#6.1 C22#7.1 C22#8.1 C22#9.1 U5.18 U5#2.18 U5#3.18 U5#4.18 U5#5.18 U5#6.18 U5#7.18 U5#8.18 U5#9.18
Net-(U5-OUTL): R21.2 R21#2.2 R21#3.2 R21#4.2 R21#5.2 R21#6.2 R21#7.2 R21#8.2 R21#9.2 U5.6 U5#2.6 U5#3.6 U5#4.6 U5#5.6 U5#6.6 U5#7.6 U5#8.6 U5#9.6
Net-(U5-OUTR): R22.2 R22#2.2 R22#3.2 R22#4.2 R22#5.2 R22#6.2 R22#7.2 R22#8.2 R22#9.2 U5.7 U5#2.7 U5#3.7 U5#4.7 U5#5.7 U5#6.7 U5#7.7 U5#8.7 U5#9.7
Net-(U5-VNEG): C20.1 C20#2.1 C20#3.1 C20#4.1 C20#5.1 C20#6.1 C20#7.1 C20#8.1 C20#9.1 U5.5 U5#2.5 U5#3.5 U5#4.5 U5#5.5 U5#6.5 U5#7.5 U5#8.5 U5#9.5
Net-(U6-FB): R23.2 R23#2.2 R23#3.2 R23#4.2 R23#5.2 R23#6.2 R23#7.2 R23#8.2 R23#9.2 R24.1 R24#2.1 R24#3.1 R24#4.1 R24#5.1 R24#6.1 R24#7.1 R24#8.1 R24#9.1 U6.3 U6#2.3 U6#3.3 U6#4.3 U6#5.3 U6#6.3 U6#7.3 U6#8.3 U6#9.3
Net-(U6-SW): D5.A D5#2.A D5#3.A D5#4.A D5#5.A D5#6.A D5#7.A D5#8.A D5#9.A L1.2 L1#2.2 L1#3.2 L1#4.2 L1#5.2 L1#6.2 L1#7.2 L1#8.2 L1#9.2 U6.1 U6#2.1 U6#3.1 U6#4.1 U6#5.1 U6#6.1 U6#7.1 U6#8.1 U6#9.1

Pads without a net: J2 A8 B8 NC1 NC2 NC3; J2#2 A8 B8 NC1 NC2 NC3; J2#3 A8 B8 NC1 NC2 NC3; J2#4 A8 B8 NC1 NC2 NC3; J2#5 A8 B8 NC1 NC2 NC3; J2#6 A8 B8 NC1 NC2 NC3; J2#7 A8 B8 NC1 NC2 NC3; J2#8 A8 B8 NC1 NC2 NC3; J2#9 A8 B8 NC1 NC2 NC3; J3 NC1 NC2; J3#2 NC1 NC2; J3#3 NC1 NC2; J3#4 NC1 NC2; J3#5 NC1 NC2; J3#6 NC1 NC2; J3#7 NC1 NC2; J3#8 NC1 NC2; J3#9 NC1 NC2; J4 NC1 NC2; J4#2 NC1 NC2; J4#3 NC1 NC2; J4#4 NC1 NC2; J4#5 NC1 NC2; J4#6 NC1 NC2; J4#7 NC1 NC2; J4#8 NC1 NC2; J4#9 NC1 NC2; J5 11 12 13; J5#2 11 12 13; J5#3 11 12 13; J5#4 11 12 13; J5#5 11 12 13; J5#6 11 12 13; J5#7 11 12 13; J5#8 11 12 13; J5#9 11 12 13; J7 7 8; J7#2 7 8; J7#3 7 8; J7#4 7 8; J7#5 7 8; J7#6 7 8; J7#7 7 8; J7#8 7 8; J7#9 7 8; U2 4; U2#2 4; U2#3 4; U2#4 4; U2#5 4; U2#6 4; U2#7 4; U2#8 4; U2#9 4; U3 15 16 17 18 22 23 24 25 28 33 34 35 45 52 53 54 55 56 57 58 61 62 63 64 67 69 77 81 82 85 86 87 88 90 91 92 93 95 96 98; U3#2 15 16 17 18 22 23 24 25 28 33 34 35 45 52 53 54 55 56 57 58 61 62 63 64 67 69 77 81 82 85 86 87 88 90 91 92 93 95 96 98; U3#3 15 16 17 18 22 23 24 25 28 33 34 35 45 52 53 54 55 56 57 58 61 62 63 64 67 69 77 81 82 85 86 87 88 90 91 92 93 95 96 98; U3#4 15 16 17 18 22 23 24 25 28 33 34 35 45 52 53 54 55 56 57 58 61 62 63 64 67 69 77 81 82 85 86 87 88 90 91 92 93 95 96 98; U3#5 15 16 17 18 22 23 24 25 28 33 34 35 45 52 53 54 55 56 57 58 61 62 63 64 67 69 77 81 82 85 86 87 88 90 91 92 93 95 96 98; U3#6 15 16 17 18 22 23 24 25 28 33 34 35 45 52 53 54 55 56 57 58 61 62 63 64 67 69 77 81 82 85 86 87 88 90 91 92 93 95 96 98; U3#7 15 16 17 18 22 23 24 25 28 33 34 35 45 52 53 54 55 56 57 58 61 62 63 64 67 69 77 81 82 85 86 87 88 90 91 92 93 95 96 98; U3#8 15 16 17 18 22 23 24 25 28 33 34 35 45 52 53 54 55 56 57 58 61 62 63 64 67 69 77 81 82 85 86 87 88 90 91 92 93 95 96 98; U3#9 15 16 17 18 22 23 24 25 28 33 34 35 45 52 53 54 55 56 57 58 61 62 63 64 67 69 77 81 82 85 86 87 88 90 91 92 93 95 96 98; U4 4; U4#2 4; U4#3 4; U4#4 4; U4#5 4; U4#6 4; U4#7 4; U4#8 4; U4#9 4; Y1 NC; Y1#2 NC; Y1#3 NC; Y1#4 NC; Y1#5 NC; Y1#6 NC; Y1#7 NC; Y1#8 NC; Y1#9 NC

## Via types
v1: diameter 0.61, hole 0.305, Top to Bottom, 513 vias
v2: diameter 0.56, hole 0.3, Top to Bottom, 450 vias
